# Allegro board 1155000-zp-dic_pda_8ch_board_v002.brd (continued)
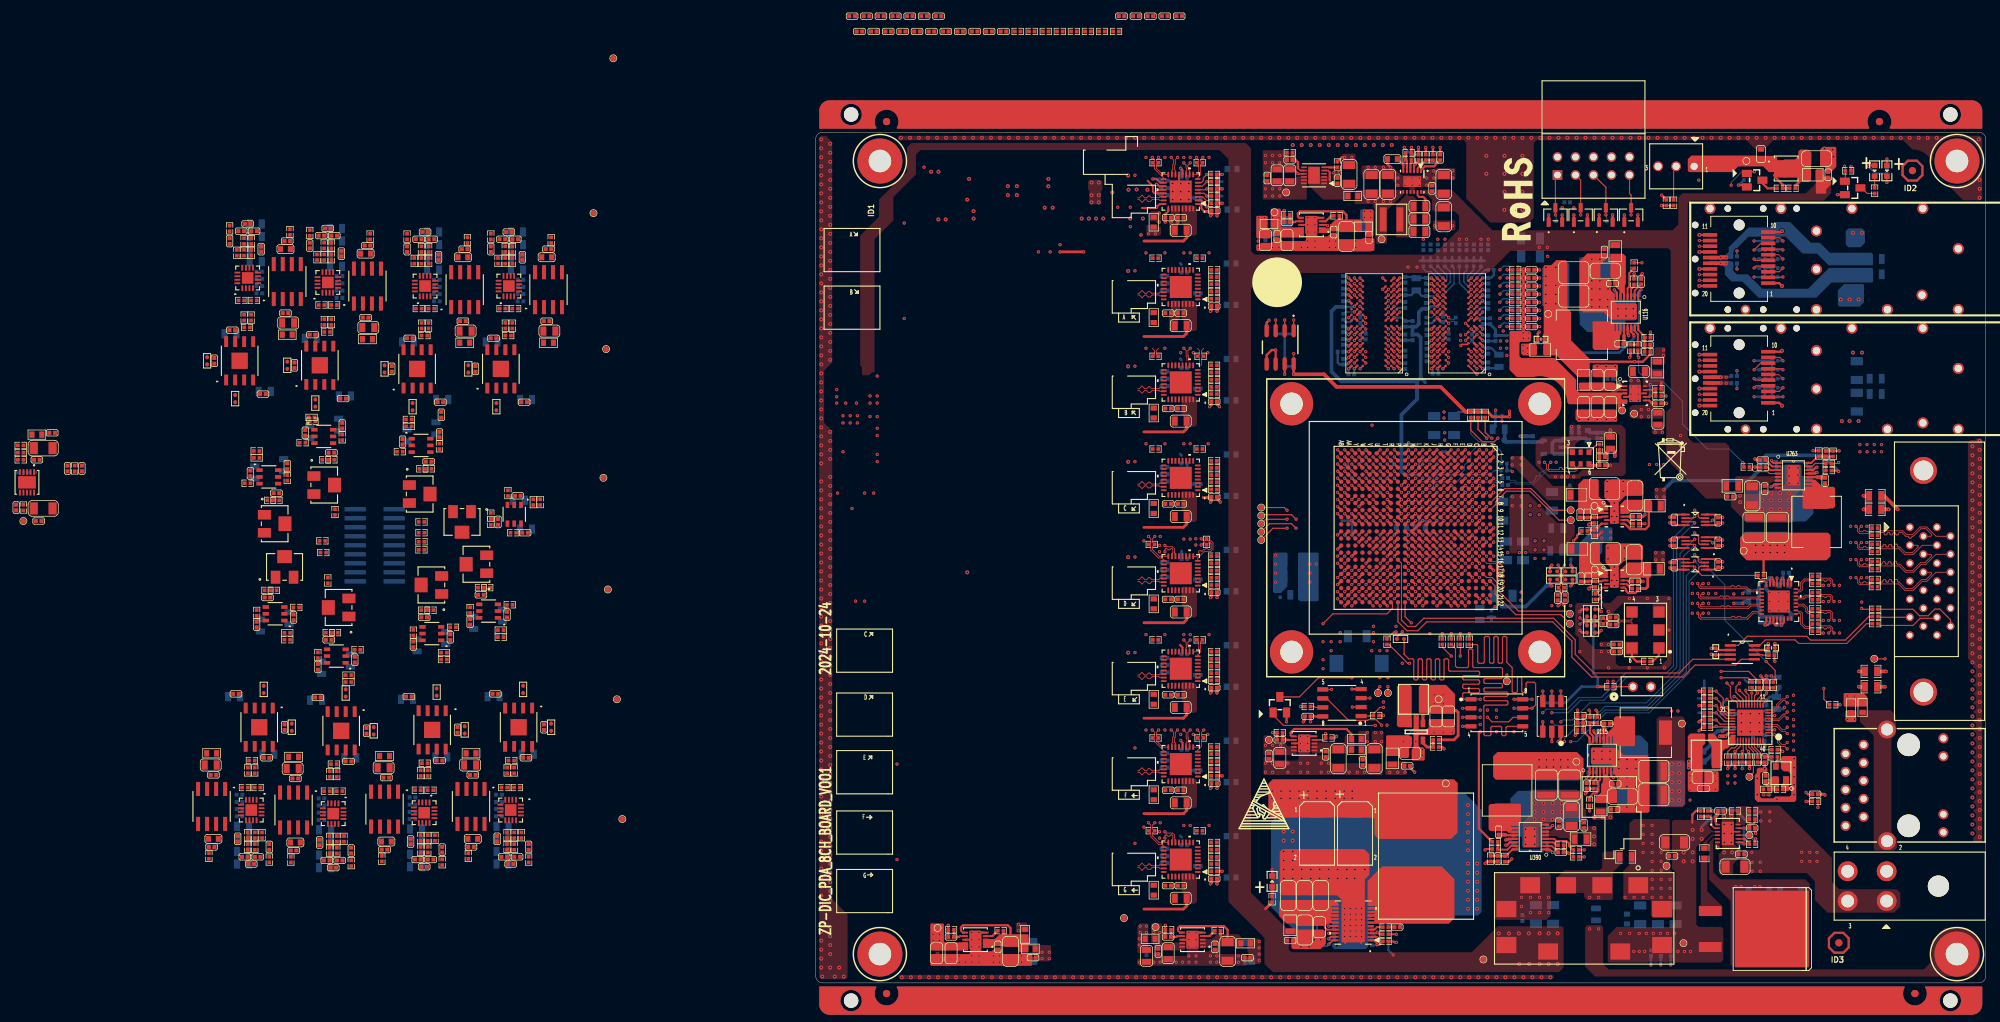
[diagram p0: board, top side]
## Routing (per net, layer and track width the routed paths; a pad name or vN(x,y) marks a point on that pad's centre or on a via; arc(x,y) is an arc through that point) (continued)
  BOTTOM w0.203: R470.2 97.74,96.52 96.98,96.52 v1(96.47,96.01)
DDR3_A_A11: length 78.8
  TOP w0.203: U1.U10 v1(78.6,66.19) ; U75.R7 v1(76.76,98.64) ; U76.R7 v1(88.45,98.64)
  ART03 w0.102: v1(88.45,98.64) 88.05,99.04 86.48,99.04 85.65,99.87 83.62,99.87 83.52,99.77 83.52,99.76 83.42,99.66 83.21,99.66 83.11,99.76 83.11,99.77 83.01,99.87 78.66,99.87 77.43,98.64 v1(76.76,98.64) 76.36,98.24 74.9,98.24
  ART03 w0.165: 74.9,98.24 71.06,98.24 69.2,96.38 69.2,96.15 69.52,95.84 69.52,95.6 69.28,95.37 69.05,95.37 68.74,95.68 68.5,95.68 68.31,95.49 68.31,95.26 68.66,94.92 68.66,94.69 68.42,94.45 68.19,94.45 67.85,94.79 67.61,94.79 66.96,94.14 66.96,92.78 67.13,92.62 67.42,92.62 67.59,92.45 67.59,92.12 67.42,91.96 67.13,91.96 66.97,91.79 66.97,90.32 67.13,90.15 67.17,90.15 67.34,89.99 67.34,89.66 67.17,89.49 67.13,89.49 66.97,89.33 66.97,88.37 67.13,88.21 67.43,88.21 67.59,88.04 67.59,87.71 67.43,87.55 67.13,87.55 66.96,87.38 66.96,85.28 64.67,82.99 64.67,80.19 67.4,77.46 67.4,74.15 67.57,73.99 68.25,73.99 68.42,73.82 68.42,73.49 68.25,73.33 67.57,73.33 67.4,73.16 67.4,72.83 67.57,72.67 68.25,72.67 68.42,72.5 68.42,72.17 68.25,72.01 67.57,72.01 67.4,71.84 67.4,71.01 68.58,69.82 68.58,67.92 71.7,64.81 73.08,64.81 73.5,64.39 77.52,64.39 78.15,65.02 78.15,65.74 v1(78.6,66.19)
  BOTTOM w0.203: v1(88.45,98.64) 88.99,99.19 88.99,99.8 R471.2
DDR3_A_A12: length 69.7
  TOP w0.203: U75.N7 v1(76.76,97.04) ; U1.AB8 v1(73.6,68.19) ; U76.N7 v1(88.45,97.04)
  ART03 w0.102: v1(88.45,97.04) 88.25,97.04 87.85,97.44 87.42,97.44 87.01,97.03 85.09,97.03 84.68,97.44 80.29,97.44 79.89,97.04 v1(76.76,97.04)
  ART06 w0.102: v1(76.76,97.04) 76.36,97.44 74.94,97.44
  ART06 w0.178: v1(73.6,68.19) 70.73,68.19 70.16,68.77 70.16,69.06 69.98,69.24 68.9,69.24 68.72,69.42 68.72,69.78 68.9,69.95 69.98,69.95 70.16,70.13 70.16,70.53 69.98,70.71 68.89,70.71 68.71,70.88 68.71,71.24 68.89,71.42 69.98,71.42 70.16,71.59 70.16,71.95 69.98,72.13 68.89,72.13 68.71,72.31 68.71,72.66 68.89,72.84 69.98,72.84 70.16,73.02 70.16,73.37 69.98,73.55 68.89,73.55 68.71,73.73 68.71,74.08 68.89,74.26 69.98,74.26 70.16,74.44 70.16,74.79 69.98,74.97 68.89,74.97 68.71,75.15 68.71,75.51 68.89,75.68 69.98,75.68 70.16,75.86 70.16,78.57 70.98,79.39 70.98,96.19 72.73,97.94 74.44,97.94 74.94,97.44
  BOTTOM w0.203: v1(88.45,97.04) 90.01,98.6 90.01,100.82 R472.2
DDR3_A_A13: length 67.1
  TOP w0.203: U1.AB10 v1(73.6,66.19) ; U75.T3 v1(79.96,99.44) ; U76.T3 v1(92.45,99.44)
  ART06 w0.102: v1(79.96,99.44) 79.56,99.04 74.68,99.04
  ART06 w0.178: 74.68,99.04 73.77,99.04 73.49,99.32 73.06,99.32 72.78,99.04 72.46,99.04 70.02,96.59 70.02,80.48 67.69,78.16 67.69,67.77 69.89,65.58 70.42,65.58 70.6,65.76 70.6,66.24 70.78,66.42 71.13,66.42 71.31,66.24 71.31,65.76 71.49,65.58 71.63,65.58 71.81,65.76 71.81,66.09 71.99,66.27 72.34,66.27 72.52,66.09 72.52,65.76 72.7,65.58 72.88,65.58 73.5,66.19 v1(73.6,66.19)
  ART08 w0.102: v1(92.45,99.44) 91.48,99.84 80.93,99.84 v1(79.96,99.44)
  BOTTOM w0.203: v1(92.45,99.44) 93.82,100.81 R473.2
DDR3_A_A14: length 81.2
  TOP w0.203: U1.T11 v1(79.6,65.19) ; U76.T7 v1(88.45,99.44) ; U75.T7 v1(76.76,99.44)
  ART03 w0.102: v1(76.76,99.44) 77.88,100.56 87.33,100.56 v1(88.45,99.44)
  ART03 w0.165: v1(76.76,99.44) 76.25,99.95 70.63,99.95 64.42,93.74 64.42,92.97 64.26,92.8 63.59,92.8 63.42,92.64 63.42,92.3 63.59,92.14 64.78,92.14 64.94,91.97 64.94,91.64 64.78,91.48 63.59,91.48 63.42,91.31 63.42,90.98 63.59,90.82 64.26,90.82 64.43,90.65 64.43,88.57 64.59,88.41 64.78,88.41 64.94,88.24 64.94,87.91 64.78,87.75 64.59,87.75 64.43,87.58 64.43,87.25 64.59,87.09 64.78,87.09 64.94,86.92 64.94,86.59 64.78,86.43 64.59,86.43 64.43,86.26 64.43,85.64 63.72,84.94 63.72,79.67 66.35,77.05 66.35,68.07 67.42,67 67.42,66.77 67.2,66.55 67.2,66.32 67.44,66.09 67.67,66.09 67.88,66.3 68.12,66.3 70.79,63.63 78.04,63.63 v1(79.6,65.19)
  BOTTOM w0.203: v1(88.45,99.44) 88.41,99.44 86.78,101.07 R474.2
DDR3_A_A15: length 86.6
  TOP w0.203: U1.V8 v1(77.6,68.19) ; U76.M7 v1(88.45,96.24) ; U75.M7 v1(76.76,96.24)
  ART03 w0.102: 75.64,95.84 76.04,96.24 v1(76.76,96.24) U75.M7 83.74,95.84 83.84,95.74 83.84,95.56 83.94,95.46 84.14,95.46 84.24,95.56 84.24,95.74 84.35,95.84 88.05,95.84 v1(88.45,96.24) 90.05,96.24 90.45,96.64 95.97,96.64 v1(96.49,97.16)
  ART03 w0.165: 75.64,95.84 75.61,95.81 73.2,95.81 73.07,95.67 72.83,95.67 72.39,96.12 72.15,96.12 71.92,95.88 71.92,95.65 72.37,95.2 72.37,94.97 71.49,94.1 71.49,93.87 72,93.36 72,93.13 71.76,92.9 71.53,92.9 71.03,93.4 70.79,93.4 70.61,93.21 70.61,92.88 70.45,92.71 69.98,92.71 69.82,92.55 69.82,92.22 69.98,92.05 70.45,92.05 70.61,91.89 70.61,91.56 70.45,91.39 69.98,91.39 69.82,91.23 69.82,90.9 69.98,90.73 70.45,90.73 70.61,90.56 70.61,90.23 70.45,90.07 69.98,90.07 69.82,89.9 69.82,89.57 69.98,89.41 70.45,89.41 70.61,89.24 70.61,88.91 70.45,88.75 69.98,88.75 69.82,88.58 69.82,88.25 69.98,88.09 70.45,88.09 70.61,87.92 70.61,86.76 70.78,86.59 71.73,86.59 71.89,86.43 71.89,86.1 71.73,85.93 70.78,85.93 70.61,85.77 70.61,84.9 71.58,83.93 71.58,83.75 71.42,83.58 70.75,83.58 70.59,83.41 70.59,83.08 70.75,82.92 71.42,82.92 71.58,82.75 71.58,82.42 71.42,82.26 70.75,82.26 70.59,82.09 70.59,81.76 70.75,81.6 71.42,81.6 71.58,81.43 71.58,81.1 71.42,80.94 70.75,80.94 70.59,80.77 70.59,80.44 70.75,80.28 71.42,80.28 71.58,80.11 71.58,78.73 70.2,77.35 70.2,77.02 70.37,76.86 71.38,76.86 71.55,76.69 71.55,76.36 71.38,76.2 70.37,76.2 70.2,76.03 70.2,75.7 70.37,75.54 71.38,75.54 71.55,75.37 71.55,75.04 71.38,74.88 70.37,74.88 70.2,74.71 70.2,74.38 70.37,74.21 71.38,74.21 71.55,74.05 71.55,68.65 73.52,66.68 76.75,66.68 77.6,67.52 v1(77.6,68.19)
  BOTTOM w0.203: v1(96.49,97.16) 96.99,97.66 97.74,97.66 R475.2
DDR3_A_BA0: length 79.2
  TOP w0.203: U1.U8 v1(78.6,68.19) ; U75.M2 v1(81.56,96.24) ; R476.2 v1(97.48,94.87) ; U76.M2 v1(93.25,96.24)
  ART08 w0.102: v1(97.48,94.87) 97,95.35 95.41,95.35 95.03,95.73 93.75,95.73 v1(93.25,96.24) U76.M2 81.96,95.84 v1(81.56,96.24) U75.M2 78.9,95.84 78.1,96.64 74.77,96.64
  ART08 w0.165: 74.77,96.64 73.39,96.64 68.33,91.58 68.33,90.11 67.87,89.64 67.21,89.64 66.63,89.06 66.63,88.83 66.86,88.6 66.86,88.36 66.63,88.13 66.4,88.13 66.16,88.36 65.93,88.36 65.63,88.06 65.63,85.4 66.45,84.58 68.3,84.58 70,82.89 70,80.49 68.3,78.8 66.04,78.8 65.63,78.38 65.63,72.12 71,66.75 77.56,66.75 78.6,67.79 v1(78.6,68.19)
DDR3_A_BA1: length 91.2
  TOP w0.203: U1.T10 v1(79.6,66.19) ; U75.N8 v1(75.96,97.04) ; U76.N8 v1(87.65,97.04)
  ART03 w0.102: v1(96.49,98.3) 95.63,97.44 90.29,97.44 89.49,96.64 U76.N8 v1(87.65,97.04) 87.25,96.64 84.08,96.64 83.98,96.54 83.98,96.4 83.87,96.3 83.67,96.3 83.57,96.4 83.57,96.54 83.47,96.64 U75.N8 v1(75.96,97.04) 75.56,96.64 74.93,96.64
  ART03 w0.165: 74.93,96.64 72.01,96.64 71.9,96.53 71.66,96.53 71.29,96.9 71.05,96.9 70.82,96.67 70.82,96.44 71.2,96.06 71.2,95.83 71.03,95.66 71.03,95.43 71.46,95.01 71.46,94.77 71.22,94.54 70.99,94.54 70.57,94.96 70.33,94.96 69.86,94.48 69.86,93.25 69.35,92.74 69.35,92.49 69.18,92.32 68.72,92.32 68.56,92.16 68.56,91.82 68.72,91.66 69.18,91.66 69.35,91.49 69.35,91.16 69.18,91 68.72,91 68.56,90.83 68.56,90.5 68.72,90.34 69.18,90.34 69.35,90.17 69.35,89.84 69.18,89.68 68.72,89.68 68.56,89.51 68.56,89.18 68.72,89.02 69.18,89.02 69.35,88.85 69.35,87.64 69.51,87.48 69.9,87.48 70.07,87.31 70.07,86.98 69.9,86.82 69.51,86.82 69.35,86.65 69.35,85.62 70.12,84.84 70.12,79.89 70.28,79.72 70.91,79.72 71.07,79.56 71.07,79.23 70.91,79.06 70.28,79.06 70.12,78.9 70.12,77.93 69.73,77.55 69.73,73.69 69.9,73.53 70.91,73.53 71.08,73.36 71.08,73.03 70.91,72.87 69.9,72.87 69.73,72.7 69.73,72.37 69.9,72.2 70.91,72.2 71.08,72.04 71.08,71.71 70.91,71.54 69.9,71.54 69.73,71.38 69.73,71.05 69.9,70.88 70.91,70.88 71.08,70.72 71.08,70.39 70.91,70.22 69.9,70.22 69.73,70.06 69.73,69.73 69.9,69.56 70.91,69.56 71.08,69.4 71.08,69.07 70.91,68.9 70.86,68.9 70.69,68.74 70.69,68.5 70.81,68.39 70.81,68.15 70.36,67.71 70.36,67.47 70.59,67.24 70.83,67.24 71.27,67.69 71.51,67.69 71.74,67.45 71.74,67.22 71.3,66.77 71.3,66.54 71.53,66.31 71.76,66.31 72.21,66.75 72.44,66.75 73.54,65.66 76.75,65.66 77.14,66.04 77.14,66.42 77.39,66.68 79.12,66.68 v1(79.6,66.19)
  BOTTOM w0.203: R477.2 97.74,98.81 96.99,98.81 v1(96.49,98.3)
DDR3_A_BA2: length 77.7
  TOP w0.203: U1.W10 v1(76.6,66.19) ; U75.M3 v1(80.76,96.24) ; R478.2 v1(97.48,96.01) ; U76.M3 v1(92.45,96.24)
  ART08 w0.102: 74.64,97.44 78.04,97.44 79.24,96.24 v1(80.76,96.24) 81.16,96.64 92.05,96.64 v1(92.45,96.24) 92.85,96.64 96.86,96.64 v1(97.48,96.01)
  ART08 w0.165: v1(76.6,66.19) 76.1,65.68 71.4,65.68 65.16,71.93 65.16,78.6 65.83,79.27 68.11,79.27 69.53,80.69 69.53,82.69 68.11,84.11 65.81,84.11 65.16,84.77 65.16,88.25 67.02,90.11 67.68,90.11 67.84,90.28 67.84,91.75 73.53,97.44 74.64,97.44
DDR3_A_CAS_B: length 81
  TOP w0.203: U1.R6 v1(80.6,70.19) ; U75.K3 v1(80.76,94.64) ; U76.K3 v1(92.45,94.64)
  ART08 w0.102: v1(96.47,92.58) 96.1,92.58 94.45,94.24 92.85,94.24 v1(92.45,94.64) 92.05,94.24 81.16,94.24 v1(80.76,94.64) 80.36,95.04 75.66,95.04
  ART08 w0.165: 75.66,95.04 73.14,95.04 72.88,94.78 72.88,94.54 73.13,94.3 73.13,94.06 72.9,93.83 72.66,93.83 72.42,94.08 72.18,94.08 70.09,91.98 70.09,90.14 68.53,88.59 68.53,87.73 68.37,87.57 67.55,87.57 67.38,87.4 67.38,87.07 67.55,86.91 68.37,86.91 68.53,86.74 68.53,85.68 70.94,83.28 70.94,80.1 67.82,76.99 67.82,76.78 67.99,76.62 69.19,76.62 69.35,76.45 69.35,76.12 69.19,75.96 67.99,75.96 67.82,75.79 67.82,74.81 67.66,74.65 66.83,74.65 66.66,74.48 66.66,74.15 66.83,73.98 67.66,73.98 67.82,73.82 67.82,73.64 67.66,73.47 66.76,73.47 66.59,73.31 66.59,72.98 66.76,72.81 67.66,72.81 67.82,72.65 67.82,71.26 70.32,68.76 77.92,68.76 78.1,68.94 78.1,69.44 78.38,69.72 80.14,69.72 v1(80.6,70.19)
  BOTTOM w0.203: R481.2 97.74,93.09 96.98,93.09 v1(96.47,92.58)
DDR3_A_CKE: length 85.3
  TOP w0.152: U76.K9 v1(86.85,94.64) ; U75.K9 v1(75.16,93.84)
  TOP w0.203: U1.U6 v1(78.6,70.19)
  ART03 w0.102: v1(75.16,93.84) U75.K9 77.39,94.24 77.4,94.24 77.73,94.24 77.73,94.24 82.98,94.24 83.08,94.14 83.08,93.98 83.18,93.88 83.38,93.88 83.48,93.98 83.48,94.14 83.58,94.24 86.45,94.24 v1(86.85,94.64) 87.25,94.24 90.05,94.24 90.85,95.04 96.3,95.04 v1(96.47,94.87)
  ART08 w0.165: v1(75.16,93.84) 75.15,93.85 74.11,93.85 73.62,93.36 72.13,93.36 70.56,91.79 70.56,91.42 70.72,91.25 72.09,91.25 72.26,91.09 72.26,90.76 72.09,90.59 70.72,90.59 70.56,90.43 70.56,90.1 70.72,89.93 72.09,89.93 72.26,89.77 72.26,89.44 72.09,89.27 70.72,89.27 70.56,89.11 70.56,88.78 70.72,88.61 72.09,88.61 72.26,88.45 72.26,88.12 72.09,87.95 70.72,87.95 70.56,87.79 70.56,87.46 70.72,87.29 72.09,87.29 72.26,87.13 72.26,86.8 72.09,86.63 70.72,86.63 70.56,86.47 70.56,84.93 71.41,84.08 71.41,79.82 71.25,79.66 71.25,78.89 71.09,78.73 70.37,78.73 70.2,78.56 70.2,78.23 70.37,78.07 71.09,78.07 71.25,77.9 71.25,77.57 71.09,77.41 70.25,77.41 70.08,77.24 70.08,76.91 70.25,76.75 71.09,76.75 71.25,76.58 71.25,75.98 71.09,75.81 70.42,75.81 70.25,75.65 70.25,75.32 70.42,75.15 71.09,75.15 71.25,74.99 71.25,74.66 71.09,74.49 70.42,74.49 70.25,74.32 70.25,73.99 70.42,73.83 71.09,73.83 71.25,73.66 71.25,73.24 71.87,72.62 72.84,72.62 73.18,72.29 73.18,71.78 73.01,71.61 70.84,71.61 70.68,71.45 70.68,71.12 70.84,70.95 73.01,70.95 73.18,70.79 73.18,69.81 73.34,69.65 77.69,69.65 78.24,70.19 v1(78.6,70.19)
  BOTTOM w0.203: R483.2 97.74,95.38 96.98,95.38 v1(96.47,94.87)
DDR3_A_CLK0_N: length 74.3
  TOP w0.165: v1(89.25,93.84) 89.25,93.84 U76.K7 ; U1.Y7 v1(75.6,68.19) ; U75.K7 v1(77.56,93.84)
  ART03 w0.102: 72.9,70.97 72.9,70.95 72.9,70.94 72.9,70.88 73.02,70.76 73.03,70.76 73.2,70.59 75.9,70.59 76,70.49 76,69.75 76,69.75 76,69.72
  ART03 w0.114: v1(75.6,68.19) 75.88,68.19 76,68.31 76,69.72 ; 72.9,70.97 72.9,75.35 73.36,75.82 73.36,79.18 73.6,79.42 75.13,79.42 75.24,79.53 75.24,79.99 75.13,80.11 73.6,80.11 73.36,80.35 73.36,80.9 73.6,81.14 75.38,81.14 75.49,81.25 75.49,81.71 75.38,81.82 73.6,81.82 73.36,82.06 73.36,82.7 73.6,82.94 75.38,82.94 75.49,83.06 75.49,83.51 75.38,83.63 73.6,83.63 73.36,83.87 73.36,84.34 73.6,84.58 74.77,84.58 74.89,84.7 74.89,85.15 74.77,85.27 73.6,85.27 73.36,85.51 73.36,85.97 73.6,86.21 74.4,86.21 74.51,86.33 74.51,86.69 74.52,86.7 74.52,86.88 74.4,86.99 72.98,86.99 72.74,87.23 72.74,87.87 72.98,88.11 74.4,88.11 74.52,88.22 74.52,88.67 74.4,88.78 72.71,88.78 72.47,89.02 72.47,89.63 72.71,89.87 74.14,89.87 74.25,89.99 74.25,90.45 74.14,90.56 72.71,90.56 72.47,90.8 72.47,91.45 72.78,91.76 74.4,91.76 74.52,91.87 74.52,92.05 74.4,92.16 73.6,92.16 73.36,92.4 73.36,92.88 73.76,93.28 76.55,93.28 76.82,93.55 77.19,93.55 77.27,93.55 v1(77.56,93.84) 77.85,93.55 78.62,93.55 80.04,93.55 80.48,93.11 82.92,93.11 83.16,92.87 83.16,92.62 83.28,92.5 83.73,92.5 83.85,92.62 83.85,92.87 84.09,93.11 88.07,93.11 88.51,93.54 88.79,93.54 88.95,93.55 v1(89.25,93.84)
  BOTTOM w0.165: v1(89.25,93.84) 89.46,93.62 90.01,93.62 R488.2
DDR3_A_CLK0_P: length 73.9
  TOP w0.165: U76.J7 v1(89.25,93.04) ; U1.Y8 v1(76.6,68.19) ; U75.J7 v1(77.56,93.04)
  ART03 w0.102: 76.21,69.72 76.21,69.75 76.21,69.75 76.21,70.57 75.98,70.79 73.28,70.79 73.11,70.97
  ART03 w0.114: 73.11,70.97 73.11,75.26 73.58,75.73 73.58,79.09 73.69,79.2 75.22,79.2 75.46,79.44 75.46,80.08 75.22,80.32 73.69,80.32 73.58,80.44 73.58,80.81 73.69,80.92 75.47,80.92 75.71,81.16 75.71,81.8 75.47,82.04 73.69,82.04 73.58,82.15 73.58,82.61 73.69,82.73 75.47,82.73 75.71,82.97 75.71,83.6 75.47,83.84 73.69,83.84 73.58,83.96 73.58,84.25 73.69,84.37 74.86,84.37 75.1,84.61 75.1,85.24 74.86,85.48 73.69,85.48 73.58,85.6 73.58,85.88 73.69,86 74.49,86 74.73,86.24 74.73,86.6 74.73,86.61 74.73,86.97 74.49,87.21 73.07,87.21 72.95,87.32 72.95,87.78 73.07,87.89 74.49,87.89 74.73,88.13 74.73,88.76 74.49,89 72.8,89 72.69,89.11 72.69,89.54 72.8,89.66 74.23,89.66 74.47,89.9 74.47,90.53 74.23,90.78 72.8,90.78 72.69,90.89 72.69,91.36 72.87,91.54 74.49,91.54 74.73,91.79 74.73,92.14 74.49,92.38 73.69,92.38 73.58,92.49 73.58,92.79 73.85,93.06 76.64,93.06 76.91,93.33 77.19,93.33 77.27,93.33 v1(77.56,93.04) 77.86,93.33 78.62,93.33 79.95,93.33 80.39,92.9 82.83,92.9 82.95,92.78 82.95,92.53 83.19,92.29 83.82,92.29 84.06,92.53 84.06,92.78 84.18,92.9 88.16,92.9 88.59,93.33 88.79,93.33 88.95,93.33 v1(89.25,93.04) ; v1(76.6,68.19) 76.33,68.19 76.21,68.31 76.21,69.72
  BOTTOM w0.165: R488.1 90.01,93.33 89.53,93.33 v1(89.25,93.04)
DDR3_A_D0: length 22.9
  TOP w0.203: U1.W1 v1(76.6,75.19) ; U75.E3 v1(80.76,89.84)
  ART08 w0.102: 81.16,86.04 81.16,89.74 81.06,89.84 v1(80.76,89.84)
  ART08 w0.165: 81.16,86.04 81.16,85.48 78.89,83.21 78.89,81.31 79.06,81.15 79.76,81.15 79.93,80.98 79.93,80.65 79.76,80.49 79.06,80.49 78.89,80.32 78.89,79.99 79.06,79.83 79.76,79.83 79.93,79.66 79.93,79.33 79.76,79.17 79.06,79.17 78.89,79 78.89,78.29 78.33,77.72 78.33,75.26 77.77,74.7 77.1,74.7 v1(76.6,75.19)
DDR3_A_D1: length 24.4
  TOP w0.203: U1.AA3 v1(74.6,73.19) ; U75.F7 v1(76.76,90.64)
  ART08 w0.102: 75.56,86.43 75.56,86.81 75.8,87.04 76.13,87.04 76.36,87.27 76.36,89.21 76.6,89.44 76.93,89.44 77.16,89.67 77.16,90.12 76.76,90.52 v1(76.76,90.64)
  ART08 w0.165: 75.56,86.43 75.12,85.99 75.12,85.75 75.66,85.22 75.66,84.92 75.49,84.75 75.19,84.75 74.65,85.29 74.42,85.29 73.49,84.36 73.49,83.99 73.66,83.82 74.18,83.82 74.34,83.66 74.34,83.33 74.18,83.16 73.66,83.16 73.49,83 73.49,79.37 74.03,78.83 74.03,73.77 v1(74.6,73.19)
DDR3_A_D2: length 27.1
  TOP w0.203: U1.W5 v1(76.6,71.19) ; U75.F2 v1(81.56,90.64)
  ART08 w0.102: 81.96,86.03 81.96,90.24 v1(81.56,90.64)
  ART08 w0.165: 81.96,86.03 81.63,85.7 81.63,84.31 81.47,84.15 80.78,84.15 80.62,83.98 80.62,83.65 80.78,83.49 81.47,83.49 81.63,83.32 81.63,82.5 80.4,81.27 80.4,77.62 79.93,77.15 79.69,77.15 79.28,77.57 79.04,77.57 78.81,77.34 78.81,77.1 79.23,76.68 79.23,76.45 79.07,76.29 79.07,72.8 78.89,72.62 77.43,72.62 77.14,72.32 77.14,71.72 v1(76.6,71.19)
DDR3_A_D3: length 22.3
  TOP w0.203: U1.AA1 v1(74.6,75.19)
  TOP w0.244: U75.F8 v1(75.96,90.64)
  ART08 w0.102: v1(75.96,90.64) U75.F8 77.01,91.04 ; 76.36,86.3 76.36,86.81 77.16,87.61 77.16,89.21 77.52,89.56 77.52,90.6 77.08,91.04
  ART08 w0.165: v1(74.6,75.19) 74.6,79.61 74.98,79.99 74.98,80.38 74.81,80.55 74.13,80.55 73.96,80.71 73.96,81.04 74.13,81.21 74.81,81.21 74.98,81.37 74.98,81.7 74.81,81.87 74.52,81.87 74.36,82.03 74.36,82.36 74.52,82.53 74.81,82.53 74.98,82.69 74.98,83.4 76.13,84.56 76.13,86.06 76.36,86.3 ; 77.08,91.04 77.01,91.04
DDR3_A_D4: length 25.5
  TOP w0.203: U75.H3 v1(80.76,92.24) ; U1.AA4 v1(74.6,72.19)
  ART08 w0.165: v1(74.6,72.19) 75.1,72.69 75.1,76.25 75.45,76.59 75.45,82 75.61,82.17 75.85,82.17 76.02,82.33 76.02,82.66 75.85,82.83 75.61,82.83 75.45,82.99 75.45,83.21 77.99,85.76 77.99,90.83 79.55,92.38 80.62,92.38 v1(80.76,92.24)
DDR3_A_D5: length 23.6
  TOP w0.203: U75.H8 v1(75.96,92.24) ; U1.AB3 v1(73.6,73.19)
  ART08 w0.102: 74.73,91.74 74.83,91.84 75.33,91.84 75.73,92.24 v1(75.96,92.24)
  ART08 w0.165: 74.73,91.74 74.11,91.74 72.79,90.42 72.79,86.13 72.06,85.39 72.06,79.48 71.83,79.25 71.83,74.97 v1(73.6,73.19)
DDR3_A_D6: length 22.9
  TOP w0.203: U75.G2 v1(81.56,91.44) ; U1.Y1 v1(75.6,75.19)
  ART08 w0.102: 80.55,91.84 81.16,91.84 v1(81.56,91.44)
  ART08 w0.165: v1(75.6,75.19) 75.6,76.09 76.73,77.21 76.73,83.83 78.46,85.56 78.46,88.19 78.63,88.36 79.06,88.36 79.23,88.52 79.23,88.85 79.06,89.02 78.63,89.02 78.46,89.18 78.46,90.85 79.46,91.84 80.55,91.84
DDR3_A_D7: length 23.6
  TOP w0.203: U75.H7 v1(76.76,92.24) ; U1.AB2 v1(73.6,74.19)
  ART08 w0.102: 74.82,91.04 75.33,91.04 75.52,91.24 75.56,91.24 75.56,91.64 75.76,91.84 76.36,91.84 v1(76.76,92.24)
  ART08 w0.165: 74.82,91.04 74.07,91.04 73.26,90.23 73.26,89.86 73.43,89.7 73.7,89.7 73.86,89.53 73.86,89.2 73.7,89.04 73.43,89.04 73.26,88.87 73.26,85.94 72.53,85.2 72.53,79.28 72.3,79.05 72.3,75.5 v1(73.6,74.19)
DDR3_A_D8: length 24.6
  TOP w0.203: U1.U5 v1(78.6,71.19) ; U75.D7 v1(76.76,89.04)
  ART03 w0.102: 75.56,85.76 75.56,88.46 75.74,88.64 76.36,88.64 v1(76.76,89.04)
  ART03 w0.165: 75.56,85.76 76.39,84.94 76.39,78.94 75.12,77.67 74.89,77.67 74.71,77.85 74.47,77.85 74.24,77.62 74.24,77.39 74.42,77.21 74.42,76.97 74.18,76.73 74.18,75.02 74.49,74.7 74.7,74.7 75.08,74.32 75.08,74.12 75.43,73.76 75.76,73.76 76.07,73.46 76.07,73.05 77.47,71.65 78.14,71.65 v1(78.6,71.19)
DDR3_A_D9: length 24
  TOP w0.203: U75.C3 v1(80.76,88.24) ; U1.T4 v1(79.6,72.19)
  ART03 w0.165: v1(80.76,88.24) 80.18,87.66 80.18,86.56 81.17,85.57 81.71,85.57 82.94,84.34 82.94,83.42 82.69,83.17 82.69,83.02 82.85,82.86 83.07,82.86 83.23,82.69 83.23,82.36 83.07,82.2 82.85,82.2 82.69,82.03 82.69,81.9 82.52,81.74 82.38,81.74 82.22,81.57 82.22,81.24 82.47,80.99 82.47,80.5 82.22,80.25 82.22,80.06 82.05,79.89 82.05,79.65 82.22,79.48 82.22,79.25 81.98,79.02 81.75,79.02 81.58,79.19 81.35,79.19 81.15,78.98 81.15,78.71 81.42,78.43 81.42,78.2 80.4,77.18 79.17,75.95 79.17,74.93 79.42,74.68 79.8,74.68 80.06,74.42 80.06,73.89 79.88,73.71 79.37,73.71 79.12,73.46 79.12,72.68 v1(79.6,72.19)
DDR3_A_D10: length 18.5
  TOP w0.203: U1.V3 v1(77.6,73.19) ; U75.C8 v1(75.96,88.24)
  ART03 w0.165: v1(77.6,73.19) 77.6,73.39 77.03,73.97 77.03,76.91 78.02,77.9 78.02,78.86 78.88,79.72 78.88,84.82 77.19,86.5 77.19,87.01 v1(75.96,88.24)
DDR3_A_D11: length 25.9
  TOP w0.203: U75.C2 v1(81.56,88.24) ; U1.N5 v1(82.6,70.19)
  ART03 w0.102: 83.03,88.64 81.96,88.64 v1(81.56,88.24)
  ART03 w0.165: 83.03,88.64 83.19,88.48 83.19,88.05 83.36,87.88 83.69,87.88 83.85,88.05 83.85,88.48 84.02,88.64 84.34,88.64 84.5,88.48 84.5,87.71 84.79,87.42 84.79,86.42 85.52,85.68 85.52,80.31 82.09,76.88 82.09,74.83 82.34,74.57 82.34,72.97 82.6,72.71 v1(82.6,70.19)
DDR3_A_D12: length 19.8
  TOP w0.203: U75.A7 v1(76.76,86.64) ; U1.W2 v1(76.6,74.19)
  ART03 w0.165: v1(76.76,86.64) 76.76,85.94 77.61,85.1 77.61,84.72 77.77,84.55 78.24,84.55 78.41,84.39 78.41,84.06 78.24,83.89 77.77,83.89 77.61,83.73 77.61,83.53 78.11,83.02 78.11,80.78 77.95,80.61 77.56,80.61 77.39,80.45 77.39,80.12 77.56,79.95 77.95,79.95 78.11,79.79 78.11,79.62 77.33,78.83 77.33,78.32 77.37,78.27 77.37,78.04 77.14,77.8 76.91,77.8 76.86,77.85 76.63,77.85 76.35,77.58 76.35,77.35 76.5,77.2 76.5,76.96 76.27,76.73 76.04,76.73 75.89,76.88 75.65,76.88 75.1,76.33 75.1,75.87 75.36,75.62 75.78,75.62 76.03,75.37 76.03,74.8 76.6,74.22 v1(76.6,74.19)
DDR3_A_D13: length 26.5
  TOP w0.203: U1.P5 v1(81.6,71.19) ; U75.A2 v1(81.56,86.64)
  ART03 w0.102: v1(81.56,86.64) 81.68,86.64 82.08,87.04 82.57,87.04
  ART03 w0.165: v1(81.6,71.19) 81.03,71.77 81.03,73.36 81.43,73.76 81.78,73.76 82.04,74.02 82.04,74.47 81.83,74.68 81.33,74.68 81.07,74.93 81.07,75.26 81.62,75.81 81.62,77.07 83.73,79.19 83.73,79.42 83.61,79.54 83.61,79.77 83.84,80.01 84.08,80.01 84.2,79.89 84.43,79.89 84.76,80.21 84.76,80.48 84.59,80.65 84.41,80.65 84.25,80.81 84.25,81.14 84.41,81.31 84.81,81.31 84.97,81.47 84.97,81.8 84.81,81.97 84.41,81.97 84.25,82.13 84.25,82.46 84.41,82.63 84.81,82.63 84.97,82.79 84.97,85.29 84.72,85.53 84.72,85.98 84.47,86.24 84.02,86.24 83.79,86.47 83.79,86.7 83.98,86.9 83.98,87.13 83.75,87.37 83.52,87.37 83.32,87.17 82.7,87.17 82.57,87.04
DDR3_A_D14: length 22
  TOP w0.203: U1.V4 v1(77.6,72.19) ; U75.B8 v1(75.96,87.44)
  ART03 w0.102: 76.37,85.62 76.36,85.63 76.36,87.04 v1(75.96,87.44)
  ART03 w0.165: 76.37,85.62 76.86,85.14 76.86,84.6 77.14,84.32 77.14,83.94 76.86,83.66 76.86,83.16 77.02,82.99 77.48,82.99 77.64,82.83 77.64,82.5 77.48,82.33 77.02,82.33 76.86,82.17 76.86,81.96 77.02,81.79 77.48,81.79 77.64,81.63 77.64,81.3 77.48,81.13 77.02,81.13 76.86,80.97 76.86,78.75 74.6,76.48 74.6,75.8 75.13,75.27 75.13,75.07 75.58,74.62 75.82,74.62 76.12,74.32 76.12,74.08 76.46,73.74 76.7,73.74 77.09,73.36 77.09,72.71 v1(77.6,72.19)
DDR3_A_D15: length 25.7
  TOP w0.203: U1.T5 v1(79.6,71.19) ; U75.A3 v1(80.76,86.64)
  ART03 w0.165: v1(79.6,71.19) 80.03,71.62 80.03,73.3 80.39,73.66 80.67,73.66 81.03,74.02 81.03,74.46 80.82,74.68 80.31,74.68 80.06,74.93 80.06,76.18 82.94,79.06 82.94,80.07 83.1,80.23 83.32,80.23 83.49,80.4 83.49,80.73 83.32,80.89 83.1,80.89 82.94,81.06 82.94,81.35 83.4,81.8 83.54,81.8 83.7,81.97 83.7,83.09 83.87,83.26 84.34,83.26 84.5,83.43 84.5,83.76 84.34,83.92 83.87,83.92 83.7,84.09 83.7,84.25 83.51,84.44 83.51,84.68 84.09,85.26 84.09,85.5 83.86,85.73 83.63,85.73 83.04,85.14 82.81,85.14 82.53,85.42 82.53,85.66 82.61,85.74 82.61,85.97 82.37,86.2 82.14,86.2 82.06,86.12 81.83,86.12 81.74,86.21 81.19,86.21 v1(80.76,86.64)
DDR3_A_D16: length 30.2
  TOP w0.203: U76.E3 91.87,90.07 91.13,90.07 v1(90.98,89.92) ; U1.R4 v1(80.6,72.19)
  ART08 w0.165: v1(80.6,72.19) 81.04,71.76 82.03,71.76 82.19,71.59 82.19,71.39 82.36,71.22 82.69,71.22 82.85,71.39 82.85,71.59 83.02,71.76 86.79,71.76 87.18,72.15 87.18,75.4 88.2,76.42 88.2,77.75 88.56,78.11 89.28,78.11 90.41,79.24 90.41,81.67 89.77,82.3 89.77,83.7 90.01,83.94 90.01,84.36 89.77,84.6 89.77,85.87 90.75,86.85 90.75,87.9 90.69,87.96 90.69,88.29 90.85,88.46 90.85,89.12 90.69,89.28 90.69,89.63 v1(90.98,89.92)
DDR3_A_D17: length 26.8
  TOP w0.203: U76.F7 v1(88.45,90.64) ; U1.T1 v1(80.6,75.19)
  ART08 w0.102: v1(88.45,90.64) 88.05,91.04 86.63,91.04
  ART08 w0.165: 86.63,91.04 86.57,91.04 85.34,89.81 85.34,89.47 85.51,89.3 86.24,89.3 86.41,89.14 86.41,88.81 86.24,88.64 85.51,88.64 85.34,88.48 85.34,88.15 85.51,87.98 86.24,87.98 86.41,87.81 86.41,87.48 86.24,87.32 85.51,87.32 85.34,87.15 85.34,86.4 85.88,85.87 85.88,85.63 84.16,83.91 84.16,83.45 83.99,83.29 83.94,83.29 83.78,83.12 83.78,82.79 83.94,82.63 83.99,82.63 84.16,82.46 84.16,82.13 83.99,81.97 83.94,81.97 83.78,81.8 83.78,81.47 83.94,81.31 83.99,81.31 84.16,81.14 84.16,80.24 83.31,79.39 83.31,77.16 82.06,75.91 81.34,75.91 80.62,75.19 v1(80.6,75.19)
DDR3_A_D18: length 30.8
  TOP w0.203: U1.P4 v1(81.6,72.19) ; U76.F2 v1(93.25,91.44)
  ART08 w0.165: v1(81.6,72.19) 82.91,72.19 83.36,72.64 85.69,72.64 86.08,73.03 86.08,75.27 87.73,76.92 87.73,77.95 88.71,78.92 88.96,78.92 89.07,78.82 89.3,78.82 89.54,79.05 89.54,79.28 89.43,79.39 89.43,80.49 89.6,80.65 89.65,80.65 89.81,80.82 89.81,81.15 89.65,81.31 89.6,81.31 89.43,81.48 89.43,81.68 89.21,81.9 89.21,85.76 90.31,86.86 90.31,89.91 90.32,89.92 90.32,91.44 90.93,92.05 91.94,92.05 92.55,91.44 v1(93.25,91.44)
